# Altium PCB Bus_Adaptor_Hw-v2.2-tvs_tft.PcbDoc (part 1 of 2) (continued)
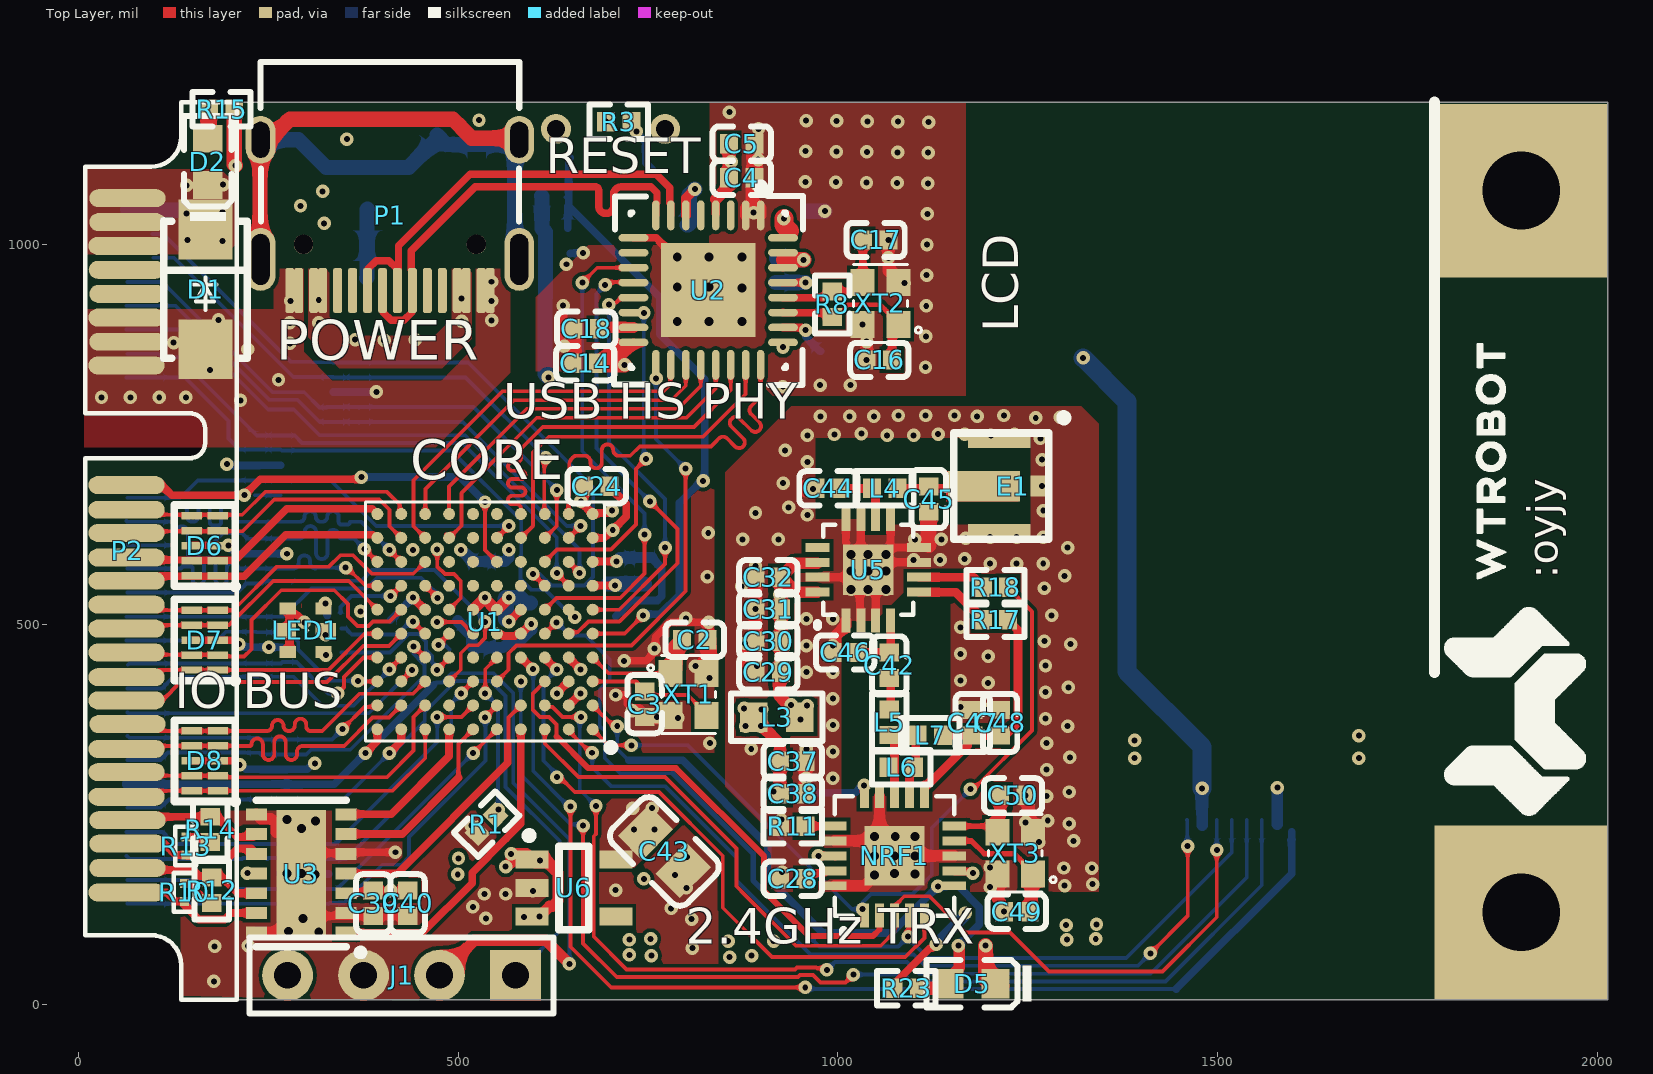
[diagram p0: Top Layer view]
## Footprints (in the part's own frame and the unit in brackets; to place one, negate y for a bottom-side part, rotate by r counter-clockwise, add the part's x,y. Pads: shape width x height; smd on the part's side, far side on the other; paste and mask are expansions set on the pad) (continued)
MINIPCIE [mm] "30mm*50.95mm*1mm"
  oval 0.6x2.55 smd: 1(0,0) 3(0.8,0) 5(1.593,-0.029) 7(2.395,-0.021) 9(3.2,0) 11(3.993,-0.029) 13(4.8,0) 15(5.593,-0.029) 17(9.593,-0.029) 19(10.418,-0.029) 21(11.193,-0.029) 23(12.018,-0.029) 25(12.793,-0.029) 27(13.593,-0.029) 29(14.393,-0.029) 31(15.193,-0.029) 33(16.018,-0.029) 35(16.793,-0.029) 37(17.586,0) 39(18.418,-0.029) 41(19.193,-0.029) 43(20.018,-0.029) 45(20.8,0) 47(21.586,0) 49(22.4,0) 51(23.218,-0.029)
  oval 0.6x2.55 smd far side: 2(0.386,0) 4(1.193,-0.029) 6(1.993,-0.029) 8(2.8,0) 10(3.593,-0.029) 12(4.393,-0.029) 14(5.2,0) 16(5.993,-0.029) 18(10.015,0) 20(10.793,-0.029) 22(11.586,0) 24(12.386,0) 26(13.186,0) 28(13.993,-0.029) 30(14.793,-0.029) 32(15.603,0.013) 34(16.4,0) 36(17.2,0) 38(17.986,0) 40(18.786,0) 42(19.586,0) 44(20.386,0) 46(21.191,-0.038) 48(21.993,-0.029) 50(22.8,0) 52(23.586,0)
  silkscreen extent -3.21,-1.4 26.8,3.65
OSC-SMD_4P-L2.0-W1.6-BL [mm]
  rect 0.9x0.8 smd: 1(-0.7,-0.6) 2(0.7,-0.6) 3(0.7,0.6) 4(-0.7,0.6)
  silkscreen extent -1.3,-1.37 1.3,0.9, body extent -1.3,-0.9 1.3,0.9, height 0.25
QFN50P500X500X100-32N [mm]
  rect 3.15x3.15 smd: 0(0,0)
  oval 1x0.25 smd: 1(2.5,-1.75) 2(2.5,-1.25) 3(2.5,-0.75) 4(2.5,-0.25) 5(2.5,0.25) 6(2.5,0.75) 7(2.5,1.25) 8(2.5,1.75) 17(-2.5,1.75) 18(-2.5,1.25) 19(-2.5,0.75) 20(-2.5,0.25) 21(-2.5,-0.25) 22(-2.5,-0.75) 23(-2.5,-1.25) 24(-2.5,-1.75)
  oval 0.25x1 smd: 9(1.75,2.5) 10(1.25,2.5) 11(0.75,2.5) 12(0.25,2.5) 13(-0.25,2.5) 14(-0.75,2.5) 15(-1.25,2.5) 16(-1.75,2.5) 25(-1.75,-2.5) 26(-1.25,-2.5) 27(-0.75,-2.5) 28(-0.25,-2.5) 29(0.25,-2.5) 30(0.75,-2.5) 31(1.25,-2.5) 32(1.75,-2.5)
  silkscreen extent -3.17,-3.17 3.57,3.15, body extent -2.5,-2.51 2.52,2.51, height 0.8
QFN-20_4X4X05P [mm]
  rect 2x2 smd: 0(0,0)
  rect 0.8x0.3 smd: 1(-2,1) 2(-2,0.5) 3(-2,0) 4(-2,-0.5) 5(-2,-1) 11(2,-1) 12(2,-0.5) 13(2,0) 14(2,0.5) 15(2,1)
  rect 0.3x0.8 smd: 6(-1,-2) 7(-0.5,-2) 8(0,-2) 9(0.5,-2) 10(1,-2) 16(1,2) 17(0.5,2) 18(0,2) 19(-0.5,2) 20(-1,2)
  silkscreen extent -2.6,-2 2,2, body extent -2.01,-2.01 2.01,2.01, height 0.78
RES-ARRAY-SMD_0201-8P-L1.4-W0.6-BL [mm]
  rect 0.24x0.3 smd: 1(-0.6,-0.25) 2(-0.2,-0.25) 3(0.2,-0.25) 4(0.6,-0.25) 5(0.6,0.25) 6(0.2,0.25) 7(-0.2,0.25) 8(-0.6,0.25)
  silkscreen extent -0.89,-0.63 0.89,0.64
RFX2401C [mm]
  rect 1.7x1.7 smd: 0(0,0)
  rect 0.8x0.3 smd: 1(-1.7,0.75) 2(-1.7,0.25) 3(-1.7,-0.25) 4(-1.7,-0.75) 9(1.7,-0.75) 10(1.7,-0.25) 11(1.7,0.25) 12(1.7,0.75)
  rect 0.3x0.8 smd: 5(-0.75,-1.7) 6(-0.25,-1.7) 7(0.25,-1.7) 8(0.75,-1.7) 13(0.75,1.7) 14(0.25,1.7) 15(-0.25,1.7) 16(-0.75,1.7)
  silkscreen extent -1.9,-1.5 1.5,1.7, body extent -1.52,-1.52 1.52,1.52, height 0.9
RGB-1.6X1.6 [mm]
  rect 0.55x0.4 smd: 1(0.6,0.725) 2(-0.6,0.725) 5(0.6,-0.725) 6(-0.6,-0.725)
  rect 0.7x0.5 smd: 3(0.675,0) 4(-0.675,0)
  Top Layer region: -0.127,0.762 -0.127,0.889
  silkscreen extent 0,-0.13 0.13,0.13
SMA [mm]
  rect 2x1.8 smd: 1(2,0) 2(-2,0)
  silkscreen extent -2.3,-1.4 2.3,1.4
SOT-23-5 [mm]
  rect 1.1x0.6 smd: 1(1.4,-0.95) 2(1.4,0) 3(1.4,0.95) 4(-1.4,0.95) 5(-1.4,-0.95)
  silkscreen extent -0.5,-1.87 1.62,1.4, body extent -1.25,-1.5 1.25,1.5, height 1.05
SW-SMD_侧开/5脚 [mm]
  rect 0.7x1.1 smd: 1(-1.4,-0.938) 2(1.4,-0.938)
  round 1 hole 0.6: ""(-1.825,0.412) ""(1.825,0.412)
  rect 1.15x0.55 smd: ""(-1.725,1.088) ""(1.725,1.088)
  rect 1.4x1.1 smd: ""(0,-1.088)
  silkscreen extent -0.92,1.3 0.92,1.96
"TFBGA100, 8*8*0.8 MM" [mm] "BGA, 100-Leads, Body 8.00x8.00mmx1.10mm, Pitch 0.80mm"
  round 0.4 smd mask+0.076: A1(-3.6,3.6) A2(-2.8,3.6) A3(-2,3.6) A4(-1.2,3.6) A5(-0.4,3.6) A6(0.4,3.6) A7(1.2,3.6) A8(2,3.6) A9(2.8,3.6) A10(3.6,3.6) B1(-3.6,2.8) B2(-2.8,2.8) B3(-2,2.8) B4(-1.2,2.8) B5(-0.4,2.8) B6(0.4,2.8) B7(1.2,2.8) B8(2,2.8) B9(2.8,2.8) B10(3.6,2.8) C1(-3.6,2) C2(-2.8,2) C3(-2,2) C4(-1.2,2) C5(-0.4,2) C6(0.4,2) C7(1.2,2) C8(2,2) C9(2.8,2) C10(3.6,2) D1(-3.6,1.2) D2(-2.8,1.2) D3(-2,1.2) D4(-1.2,1.2) D5(-0.4,1.2) D6(0.4,1.2) D7(1.2,1.2) D8(2,1.2) D9(2.8,1.2) D10(3.6,1.2) E1(-3.6,0.4) E2(-2.8,0.4) E3(-2,0.4) E4(-1.2,0.4) E5(-0.4,0.4) E6(0.4,0.4) E7(1.2,0.4) E8(2,0.4) E9(2.8,0.4) E10(3.6,0.4) F1(-3.6,-0.4) F2(-2.8,-0.4) F3(-2,-0.4) F4(-1.2,-0.4) F5(-0.4,-0.4) F6(0.4,-0.4) F7(1.2,-0.4) F8(2,-0.4) F9(2.8,-0.4) F10(3.6,-0.4) G1(-3.6,-1.2) G2(-2.8,-1.2) G3(-2,-1.2) G4(-1.2,-1.2) G5(-0.4,-1.2) G6(0.4,-1.2) G7(1.2,-1.2) G8(2,-1.2) G9(2.8,-1.2) G10(3.6,-1.2) H1(-3.6,-2) H2(-2.8,-2) H3(-2,-2) H4(-1.2,-2) H5(-0.4,-2) H6(0.4,-2) H7(1.2,-2) H8(2,-2) H9(2.8,-2) H10(3.6,-2) J1(-3.6,-2.8) J2(-2.8,-2.8) J3(-2,-2.8) J4(-1.2,-2.8) J5(-0.4,-2.8) J6(0.4,-2.8) J7(1.2,-2.8) J8(2,-2.8) J9(2.8,-2.8) J10(3.6,-2.8) K1(-3.6,-3.6) K2(-2.8,-3.6) K3(-2,-3.6) K4(-1.2,-3.6) K5(-0.4,-3.6) K6(0.4,-3.6) K7(1.2,-3.6) K8(2,-3.6) K9(2.8,-3.6) K10(3.6,-3.6)
  silkscreen extent -4.34,-4 4,4.33, body extent -4,-4.01 4,3.99, height 1.1
TYPE-C-TOP [mm]
  oval 1.6x1 hole 0.6 slot 1.2 at 0 deg: 1(2.52,4.325) 2(2.52,-4.325)
  oval 2.1x1 hole 0.6 slot 1.7 at 0 deg: 3(-1.48,-4.325) 4(-1.48,4.325)
  rrect50% 1.5x0.3 smd: A1(-2.52,-3.35) A4(-2.52,-2.55) A5(-2.52,-1.25) A6(-2.52,-0.25) A7(-2.52,0.25) A8(-2.52,1.25) A9(-2.52,2.55) A12(-2.52,3.35) B1(-2.52,3.05) B4(-2.52,2.25) B5(-2.52,1.75) B6(-2.52,0.75) B7(-2.52,-0.75) B8(-2.52,-1.75) B9(-2.52,-2.25) B12(-2.52,-3.05)
  round 0.65 hole 0.65: ""(-0.98,2.89) ""(-0.98,-2.89)
  silkscreen extent -0.22,-4.33 5.12,4.33, body extent -2.64,-4.48 5.26,4.46, height 3.28

## Part data
C1 C2 C3 C4 C5 C6 C7 C9 C10 C11 C12 C13 C14 C15 C16 C17 C18 C19 C20 C21 C22 C23 C24 C25 C26 C27 C28 C29 C30 C31 C32 C33 C34 C35 C36 C37 C38 C39 C40 C41 C42 C43 C44 C45 C46 C47 C48 C49 C50: library part C
D1 D3: library part TVS, "BV03CW"
D2 D5: library part LED
D6 D7 D8 D9 D10 D11 D12 D13: library part TVS10P-4PAIR, "C503418"
D14: "C503418"
E1: "Generic Antenna", LatestRevisionDate=17-Jul-2002, LatestRevisionNote="Re-released for DXP Platform.", PackageReference=PIN1, Published=24-Mar-1999, Publisher="Altium Limited"
F1: library part FUSE, "FUSE"
H1: "FPC-8P"
Key1: library part KEY
L1 L2 L3 L4 L5 L6 L7: library part L
LED1: library part "LED-RGB 3528", "3528三基色LED"
P1: library part USB_C
R1 R2 R3 R5 R6 R7 R8 R9 R10 R11 R12 R13 R14 R15 R16 R17 R18 R23: library part R, "resistor"
U1: Operating Frequency (Processor Speed)=168MHz, 16-bit Timers (IC/OC/PWM)=12x16-bit(24/24/30), 32-bit Timer (IC/OC/PWM)="2x32-bit (8/8/8)", A/D Converter=16x12-bit, ComponentLink1Description="Manufacturer URL", ComponentLink1URL=http://www.st.com/, ComponentLink2Description="STM32F405/7 Datasheet", ComponentLink2URL=http://www.st.com/internet/com/TECHNICAL_RESOURCES/TECHNICAL_LITERATURE/DATASHEET/DM00037051.pdf, ComponentLink3Description="STM32F4 Web Page", ComponentLink3URL=http://www.st.com/internet/mcu/subclass/1521.jsp, D/A Converter=2x12-bit, DatasheetVersion="rev2, Jan-2012", Internal RAM=192kB, Other Timer Functions="2xWDG, RTC, 24-bit down counter", PackageDescription="100-Pin Low Profile Quad Flat Package, 14x14 mm Body, 0.5 mm Pitch", PackageReference=LQFP100, PackageVersion=2012, Serial Interface="3xSPI/2xI2S/2xI2C/3xUSART(IrDa, ISO7816)/3xUART/2xUSB OTG FS/HS, 2xCAN/Ethernet MAC10/100, SDIO"
U2: library part USB3300, "高速USB外置PHY"
U3: "double can"
U4: library part ME6211
XT1 XT2 XT3: library part XTAL-4P, "4脚无源晶振"

## Free pads (board coordinates)
  rect 228.35x228.35 hole 102.36: ""(1899.68,121.42) ""(1899.68,1071.42)

## Via types
v1: diameter 17.72, hole 7.87, Top Layer to Bottom Layer, tented both sides, 367 vias
v2: diameter 17.72, hole 11.81, Top Layer to Bottom Layer, tented both sides, 36 vias

## Nets (pads, with @x,y where several pads share a name; then routed paths per layer and width w, separated by ;. In a path a pad name is that pad's centre, name@x,y a point inside that pad or via, vN(x,y) a via of type N, cw(c..) or ccw(c..) an arc to the next point about the centre after c; other vN are vias at no path point)
3.3V: C12.2 C13.2 C14.2 C15.2 C21.2 C22.2 C23.2 C24.2 C25.2 C26.2 C27.2 C35.2 C36.2 C41.1 D3.2 H1.2 J1.4 L2.1 LED1.2 LED1.4 LED1.6 R2.1 R7.1 U1.B2 U1.D2 U1.F4 U1.F5 U1.F6 U1.K1 U2.6 U2.16 U2.25 U2.30 U2.31 U3.11 U4.5 | length 1595.9
  Top Layer w10: LED1.6@278.16,462.79 278.16,463.97 278.16,519.88 279.72,519.88 287.24,512.35 288.63,512.35 297.68,503.31 v1(297.68,503.07) ; v1(566.93,503.94) U1.F4@582.68,519.69 ; U1.B2@645.67,393.7 v1(661.42,409.45) ; U1.D2@645.67,456.69 645.67,456.31 661.42,440.57 v1(661.42,440.94) ; C24.2@665.81,682.33 665.81,657.02 U1.K1@677.17,645.67 678.27,646.77 697.26,646.77 700.67,650.17 v1(702.76,650.17) ; U2.16@726.73,867.33 U2.16@730.94,871.54 ; U2.30@927.79,969.97 927.79,981.33 928.79,980.33
  Top Layer w13: U2.6@799.84,1038.86 799.91,1038.94 799.91,1061.62 v1(811.63,1073.33)
  Top Layer w15: U1.F6@519.69,519.69 v1@534.66,534.66 ; v1@533.88,535.43 v1@534.66,534.66 ; v1(535.43,535.43) v1@534.66,534.66 ; v1(566.93,535.43) U1.F5@551.18,519.69 549.63,519.69 v1@534.66,534.66 ; C14.2@684.28,844.33 709.79,869.85 709.79,863.94 696.24,850.39 709.79,850.39 U2.16@726.73,867.33
  Top Layer w20: C14.2@684.28,844.33 684.28,843.83 686.09,842.01 v1(719.29,842.01) ; 928.79,980.33 v1(955.02,980.33)
  Bottom Layer w10: v1(222.55,172.97) 222.87,172.65 237.49,172.65 C41.1@237.81,172.33
  Bottom Layer w15: H1.2@1479.54,236.09 v1(1479.54,284.33)
  Bottom Layer w20: C26.2@562.54,506.66 v1@562.54,535.43 ; v1(566.93,535.43) 582.04,535.43 588.93,528.54 C25.2@595.19,528.54 ; R2.1@609.81,1064.33 610.56,1063.58 610.56,1021.54 615.23,1016.87 615.23,930.57 614.5,929.84 614.5,829.86 v1(618.89,825.47) ; C12.2@801.54,1026.07 802.53,1026.07 804.34,1027.88 804.34,1066.04 v1(811.63,1073.33) ; C13.2@919.28,982.95 919.28,982.14 921.09,980.33 v1(955.02,980.33)
  Bottom Layer w25: v1(1322.83,851.33) 1380.63,793.54 1380.63,438.12 1479.54,339.2 v1(1479.54,284.33)
  other v1: 754.54,64.33 725.54,65.33 725.54,85.33 753.54,86.33 744.54,165.33 440.54,598.33 661.54,662.33 927.79,865.33
3.3VA: C6.1 C7.1 L2.2 U1.H1 | length 210.6
  Top Layer w10: U1.H1@677.17,582.68 678.27,581.58 680.02,583.33 v1(708.54,583.33)
  Bottom Layer w10: C7.1@707.22,582.53 C7.1@713.02,588.33 ; L2.2@707.69,511.21 728.43,531.96 728.61,531.79 762.48,531.79 768.34,537.65 768.34,574.8 C6.1@754.8,588.33
  Bottom Layer w15: C7.1@713.02,588.33 745.54,588.33 C6.1@754.8,588.33
3.3VPA: C29.2 C30.2 C31.2 C32.2 L3.2 U5.14 U5.16 | length 308.4
  Top Layer w15: L3.2@949.86,377.95 949.86,378.94 922.54,406.25 922.54,434.6 C29.2@925.28,437.33 C30.2@925.28,478.33 C32.2@925.28,561.35 ; U5.16@973.09,542.73 944.89,542.73 930.59,557.04 929.59,557.04 C32.2@925.28,561.35 ; U5.14@973.09,580.82 942.78,580.82 925.28,563.32 C32.2@925.28,562.33 C32.2@925.28,561.35
  other v1: 950.54,375.33 959.54,393.33 938.54,394.33 924.54,455.7 925.54,500.33 923.54,539.7
3.3VRF: C37.2 C38.2 C43.2 D5.K L3.1 NRF1.7 NRF1.15 NRF1.18 U6.5 | length 432.6
  Top Layer w10: v1(974.24,195.59) NRF1.18@995.8,195.59 NRF1.18@996.71,194.69 ; NRF1.15@1034.27,281.88 1034.27,265.33 1035.17,266.24 NRF1.15@1035.17,274.33 ; NRF1.7@1153.28,175.91 1154.19,175 1173.67,175 1175.74,172.93 v1(1177.83,172.93)
  Top Layer w15: L3.1@889.23,377.95 899.7,367.49 923.81,343.37 C37.2@923.81,320.33 C38.2@923.81,277.33
  Top Layer w20: v1(1194.54,77.33) 1194.54,32.49 1195.62,33.57 D5.K@1202.86,26.33 ; D5.K@1206.17,20.14 1204.14,18.11 1206.75,24.82 1206.88,24.47 1215.66,24.47 1211.01,21.61 D5.K@1207.2,19.27 ; D5.K@1206.17,24.82 D5.K@1206.34,25.19 ; D5.K@1202.86,26.33 D5.K@1210.2,33.68 ; D5.K@1202.86,26.33 1204,25.19 D5.K@1206.34,25.19 ; D5.K@1206.34,25.19 1207.35,27.4 1208.9,30.81 D5.K@1210.2,33.68 ; D5.K@1206.34,25.19 1206.89,25.19 1207.7,27.25 1208.89,30.31 D5.K@1210.2,33.68
  Bottom Layer w10: v1(915.54,280.52) 949.05,280.52 950.73,278.84 1022.96,278.84 1032.46,288.33 v1(1034.54,288.33)
  other v1: 731.8,230.56 758.54,230.56 730.2,258.54 755.54,258.54 878.54,366.33 898.54,366.33 899.54,388.33 876.54,389.84
5V: C4.1 C5.1 C33.2 C34.2 C39.1 C40.1 D1.2 D2.K L1.1 P2.1 P2.2 P2.3 P2.5 U2.4 U3.3 U4.1 U4.3 U6.1 U6.3 | length 487.5
  Top Layer w10: U3.3@352.6,146.35 354.3,148.05 431.85,148.05 C40.1@433.54,149.75 ; U2.4@839.21,1038.86 839.28,1038.94 839.28,1060.07
  Top Layer w15: 569.85,186.71 v1(569.85,198.31) 589.85,198.31 598.83,189.33 v1(607.81,189.33) 604.65,189.33 601.74,186.42 618.89,186.42 631.58,173.73 631.58,136.34 624.26,129.02 620.36,129.02 v1(607.27,115.93) U6.3@597.43,115.93 ; 839.28,1060.07 856.81,1077.6 C4.1@856.81,1088.33 C5.1@856.81,1133.33
  Bottom Layer w20: P2.2@64.68,1046.21 65.38,1045.52 138.36,1045.52 v1(142.54,1041.33) 144.54,1043.33 v1(189.54,1043.33)
  other v1: 586.54,115.33 411.54,150.33 499.54,171.33 562.54,181.33 500.54,192.33 189.54,1005.33 143.54,1006.33 323.54,1028.33 292.54,1051.33 321.54,1070.33 142.54,1078.33 190.54,1079.33 859.54,1109.33
ADC1_0: D10.5 D10.6 P2.14 U1.G2 | length 735.6
  Top Layer w5: v1(629.92,567.69) 629.92,567.31 645.67,551.56 U1.G2@645.67,551.18
  Bottom Layer w5: P2.14@64.68,856.69 104.89,856.69 109.54,852.04 131.92,852.04 234.89,749.07 D10.6@267.54,749.07 ; D10.6@267.54,749.01 284.86,749.01 294.54,739.33 505.39,739.33 630,614.73 629.92,614.65 v1(629.92,567.69)
ADC1_1: P2.12 U1.H2 | length 767.5
  Top Layer w5: U1.H2@645.67,582.68 645.67,582.49 659.83,568.33 v1(659.83,568.15)
  Bottom Layer w5: P2.12@63.53,888.46 145,888.46 250.13,783.33 283.54,783.33 317.54,749.33 509.54,749.33 659.83,599.04 v1(659.83,568.15)
ADC1_2: D9.1 D9.10 P2.10 U1.J2 | length 740.9
  Top Layer w5: U1.J2@645.67,614.17 v1(661.42,629.92)
  Bottom Layer w5: P2.10@63.53,919.95 127.65,919.95 251.64,795.96 288.91,795.96 317.91,766.96 D9.1@335.42,766.96 368.98,766.96 369.67,766.27 370.36,766.96 506.05,766.96 643.09,629.92 v1(661.42,629.92)
ADC1_6: D9.2 D9.9 P2.8 U1.J3 | length 749.4
  Top Layer w5: U1.J3@614.17,614.17 629.92,629.92 v1(629.92,677.16)
  Bottom Layer w5: P2.8@64.68,951.18 110.56,951.18 255.78,805.96 297.54,805.96 317.54,785.96 326.88,785.96 327.57,786.65 D9.2@335.42,786.65 368.98,786.65 369.67,785.96 370.36,786.65 520.43,786.65 v1(629.92,677.16)
ADC1_7: D9.4 D9.7 P2.6 U1.K3 | length 700.8
  Top Layer w5: U1.K3@614.17,645.67 613.56,646.28 613.56,717.76 v1(615.54,719.74)
  Bottom Layer w5: P2.6@98.61,982.95 126.06,982.95 282.99,826.02 D9.4@335.42,826.02 ; D9.4@335.42,825.33 509.95,825.33 v1(615.54,719.74)
ADC1_11: D10.4 D10.7 P2.16 U1.F2 | length 793.9
  Top Layer w5: U1.F2@645.67,519.69 645.67,518.78 653.61,510.83 v1(653.61,509.92)
  Bottom Layer w5: P2.16@63.53,825.46 140.41,825.46 197.63,768.24 197.63,745.24 212.22,730.65 233.29,730.65 266.54,730.65 267.86,729.33 490.69,729.33 583.29,636.74 583.29,591.65 582.07,590.43 582.07,560.15 596.18,546.04 614.29,546.04 650.42,509.92 v1(653.61,509.92)
CAN1_H: P2.51 R10.1 U3.13 | length 192
  Top Layer w10: P2.51@63.53,147.32 116.56,147.32 128.27,135.6 R10.1@139.54,135.6 140.45,134.7 140.45,129.95 158.61,111.79 192.48,111.79 201.05,120.36 U3.13@234.48,120.36
CAN1_L: P2.49 R12.2 U3.12 | length 186.1
  Top Layer w10: P2.49@64.68,179.53 67.42,176.79 130.8,176.79 133.95,179.94 147.24,179.94 150.39,176.79 152.09,176.79 159.86,169.02 187.54,169.02 210.21,146.35 U3.12@234.48,146.35
CAN1_RX: U1.B4 U3.4 | length 356
  Top Layer w5: 565.56,343.06 566.56,344.06 566.56,377.58 U1.B4@582.68,393.7
  Top Layer w10: U3.4@352.59,172.33 419.77,172.33 565.56,318.12 565.56,343.06
CAN1_TX: U1.A4 U3.1 | length 421.9
  Top Layer w10: U3.1@352.59,94.38 452.97,94.38 518.4,159.82 518.4,173.54 563.04,218.17 582.68,237.81 U1.A4@582.68,362.2
CAN3_H: P2.47 R13.1 U3.10 | length 187.7
  Top Layer w10: P2.47@64.68,211.57 113.31,211.57 128.17,196.71 R13.1@141.54,196.71 143.32,194.94 153.46,194.94 156.61,191.79 158.3,191.79 159.76,190.33 195.17,190.33 210.17,205.33 227.46,205.33 U3.10@234.48,198.31
CAN3_L: P2.45 R14.2 U3.9 | length 184.4
  Top Layer w10: P2.45@64.68,242.52 69.23,247.07 R14.2@173.54,247.07 182.81,247.07 209.54,220.33 230.51,220.33 U3.9@234.48,224.3
CAN3_RX: U1.A7 U3.7 | length 202.6
  Top Layer w10: U3.7@352.6,250.28 352.92,250.6 411.81,250.6 488.04,326.83 488.04,348.24 488.19,348.39 U1.A7@488.19,362.2
CAN3_TX: U1.A6 U3.6 | length 249.1
  Top Layer w5: 500.54,298.33 500.54,343.06 U1.A6@519.69,362.2
  Top Layer w10: U3.6@353.88,224.3 426.51,224.3 500.54,298.33
DAC_OUT1: D9.5 D9.6 P2.4 U1.G3 | length 948.7
  Top Layer w5: v1(598.43,566.93) U1.G3@614.17,551.18
  Bottom Layer w5: P2.4@97.73,1014.44 111.3,1014.44 279.43,846.31 335.42,845.01 369.67,845.01 513.42,845.01 677.9,680.53 677.9,636.82 677.78,636.7 677.78,562.57 666.54,551.33 623.15,551.33 607.55,566.93 v1(598.43,566.93)
GND: C1.1 C2.1 C3.1 C4.2 C5.2 C6.2 C7.2 C9.2 C10.1 C11.1 C12.1 C13.1 C14.1 C15.1 C16.1 C17.1 C18.1 C19.1 C20.1 C21.1 C22.1 C23.1 C24.1 C25.1 C26.1 C27.1 C33.1 C34.1 C35.1 C36.1 C39.2 C40.2 C41.2 C43.1 D1.1 D3.1 D6.3 D6.8 D7.3 D7.8 D8.3 D8.8 D9.3 D9.8 D10.3 D10.8 D11.3 D11.8 D12.3 D12.8 D13.3 D13.8 D14.3 D14.8 H1.7 H1.9 H1.10 J1.3 P1.A1 P1.A12 P1.B1 P1.B12 P2.11 P2.13 P2.15 R1.1 R3.2 R5.1 R6.1 R9.1 R15.1 R16.2 U1.C2 U1.E4 U1.E5 U1.G1 U1.J1 U2.0 U2.1 U2.2 U2.9 U3.2 U3.5 U3.8 U3.14 U3.15 U4.2 U6.2 XT1.2 XT1.4 XT2.2 XT2.4 | length 2656.4
  Top Layer w10: D6.8@148.42,604.33 D6.3@183.54,604.33 ; D7.8@149.29,479.64 D7.3@183.54,479.64 183.62,479.56 204.22,479.56 209.46,474.33 v1(211.54,474.33) ; D8.8@149.54,320.64 D8.3@175.41,320.64 ; D8.3@192.18,320.56 205.22,320.56 210.46,315.33 v1(212.54,315.33) ; U3.15@293.54,143.77 321.02,116.29 C39.2@388.54,116.29 C40.2@433.54,116.29 ; v2(293.54,172.33) 319.52,198.31 321.5,196.33 324.5,199.33 351.6,199.33 352.6,200.33 v1(417.54,200.33) ; v1(517.54,235.33) 517.54,233.72 528.08,223.19 R1.1@528.08,223.5 ; U1.E5@551.18,488.19 552.28,487.09 557.11,487.09 559.12,485.08 574.74,485.08 577.85,488.19 U1.E4@582.68,488.19 583.06,488.19 595.93,501.06 v1(596.31,501.06) ; v1(629.92,409.45) U1.C2@645.67,425.2 ; v1(638.35,919.95) 639.04,919.27 639.04,867.38 647.54,858.87 ; C18.1@651.45,888.7 C18.1@652.08,889.33 ; U1.G1@677.17,551.18 677.36,551.37 706.64,551.37 v1(706.83,551.56) ; U1.J1@677.17,614.17 692.38,614.17 702.59,624.38 v1(703.63,624.38) 721.61,642.36 721.61,659.01 699.28,681.35 C24.1@699.28,682.33 ; v1(707.54,407.33) 721.53,407.33 722.75,406.11 722.75,396.11 728.61,390.25 738.61,390.25 750.26,378.6 C3.1@755.54,378.6 ; 728.29,452.33 747.54,452.33 758.54,463.33 v1(758.54,468.33) 760.02,469.81 760.02,484.06 778.86,502.9 820.76,502.9 826.62,497.04 826.62,482.74 829.91,486.03 v1(829.91,503.09) 829.91,481.74 C2.1@828.28,480.11 ; U2.9@730.94,1009.34 731.02,1009.26 754.21,1009.26 754.29,1009.18 760.62,1009.18 U2.0@829.36,940.44 ; XT1.2@777.98,378.6 XT1.2@779.92,380.55 XT1.2@779.92,378.58 ; v1(812.37,445.33) 823.72,445.33 XT1.4@830.28,438.78
  Top Layer w15: U3.14@234.48,94.38 234.85,94.75 267.14,94.75 293.54,121.15 293.54,143.77 v2(293.54,172.33) 293.54,223.51 U3.15@274.54,242.51 ; U3.8@234.48,250.28 240.09,244.67 253.44,244.67 260.76,237.35 260.76,226.55 274.54,240.33 U3.15@274.54,242.51 ; v2(274.54,243.33) U3.15@274.54,242.51 ; U2.2@878.58,1038.86 878.58,1048.47 885.97,1055.86 ; C4.2@890.28,1088.33 885.97,1084.02 885.97,1055.86 ; U2.1@898.26,1038.86 898.26,1048.47 890.87,1055.86 885.97,1055.86 ; v1(1032.44,895.3) 1037.95,889.79 v1(1037.95,872.71) v1(1037.95,848.44) ; v1(1066.42,1006.42) v1(1066.42,982.95) 1066.42,965.65 1079.68,952.38 XT2.2@1079.68,950.42
  Top Layer w20: R15.1@205.28,1178.33 205.28,1105.92 v1(206.86,1104.33) ; C14.1@651.45,844.97 C18.1@651.45,888.7 ; C3.1@745.54,378.6 C3.1@750.26,378.6 ; C3.1@755.54,378.6 v1(761.76,378.6) XT1.2@777.98,378.6 ; XT1.4@830.28,438.78 C2.1@830.28,480.43 ; C4.2@890.28,1088.33 C5.2@890.28,1133.33
  Bottom Layer w10: v1(195.54,711.33) 197.31,709.56 238.08,709.56 238.16,709.64 D10.8@266.54,709.64 ; v1(197.63,604.33) 208.63,593.33 D11.3@233.42,593.33 D11.8@267.67,593.33 v1(274.54,593.33) ; v1(211.54,474.33) 213.63,474.33 217.55,470.41 234.34,470.41 234.42,470.33 v1(250.91,470.33) D12.8@268.67,470.33 ; v1(212.54,315.33) 214.63,315.33 220.55,309.41 240.34,309.41 D13.3@240.42,309.33 D13.8@274.67,309.33 274.75,309.41 301.53,309.41 309.46,317.33 v1(311.54,317.33) ; C41.2@265.28,172.33 265.89,171.72 329.71,171.72 D14.8@329.79,171.64 ; D9.3@335.42,806.33 D9.8@369.67,806.33 v1@388.28,806.33 ; C1.1@647.54,988.6 647.91,988.97 664.18,988.97 v1(664.54,989.33) ; C7.2@697.28,553.6 701.68,558 706.08,553.6 706.83,552.85 v1(706.83,551.56)
  Bottom Layer w15: R5.1@499.54,505.33 499.54,504.35 517.96,485.93 517.96,471.64 C10.1@522.28,467.33 524.91,469.97 C26.1@558.54,469.97 ; v1(503.54,598.33) 504.28,598.33 519.55,583.06 C21.1@561.54,583.06 ; C22.1@526.54,583.07 C21.1@561.54,583.06 ; C26.1@562.54,472.6 566.85,476.91 579.66,476.91 596.02,493.27 C25.1@597,493.27 ; v1(566.93,598.42) 566.93,588.28 561.71,583.06 C21.1@561.54,583.06 ; H1.7@1578.54,237.09 v1(1578.54,285.33)
  Bottom Layer w20: C7.2@697.28,553.6 706.08,553.6 C7.2@706.54,553.6 C6.2@745.54,553.6 ; R9.1@961.28,1044.33 v1(982.93,1044.33)
  other v1: 178.54,30.33 857.54,62.33 886.54,64.33 808.54,74.01 179.54,76.33 223.54,77.13 855.54,83.33 915.54,83.33 1301.54,85.33 1339.54,86.33 1300.54,104.33 1340.54,105.33 807.54,112.33 536.54,113.33 780.54,126.33 519.54,128.33 534.54,145.33 562.55,145.33 598.43,149.33 707.28,150.33 800.54,153.33 785.54,170.33 801.54,194.33 1390.67,324.18 1685.94,324.18 831.36,344.06 1390.67,347.55 1685.94,353.86 789.54,377.33 729.54,386.33 831.04,429.6 718.54,452.33 799.84,508.33 371.54,517.33 828.28,563.33 829.36,620.74 213.54,795.33 30.54,799.33 68.54,799.33 106.54,799.33 141.54,799.33 392.54,806.33 927.54,813.33 976.6,815.33 1016.54,815.36 263.54,822.33 173.54,835.33 1115.38,839.08 222.87,862.33 639.72,866.7 278.54,870.33 125.54,871.33 1115.88,879.4 278.54,897.33 544.21,900.52 184.54,901.33 1116.38,919.72 279.54,926.33 544.21,926.33 1087.54,949.57 544.21,951.45 1116.88,960.04 642.57,974.48 1117.38,1000.37 1117.88,1040.69 889.23,1042.33 893.54,1079.02 1078.06,1081.51 1118.38,1081.01 997.41,1082.51 1037.74,1082.01 957.09,1083.01 895.04,1112.33 1078.56,1121.83 1118.88,1121.33 997.91,1122.83 1038.24,1122.33 957.59,1123.33 353.54,1139.33 895.54,1152.66 1119.38,1161.66 694.81,1162.33 1038.74,1162.66 1079.06,1162.16 958.09,1163.66 998.41,1163.16 527.54,1164.33 857.22,1174.83
  other v2: 316.54,95.33 276.54,96.33 295.54,113.33 311.54,171.33 274.91,172.33 293.54,231.33 312.54,241.33 788.54,898.96 830.54,898.96 873.54,898.96 873.54,943.33 788.54,944.33 830.54,944.33 788.54,984.33 830.54,984.33 873.54,984.33
HS_CLK: U1.H3 U2.14 | length 425.8
  Top Layer w5: U1.H3@614.17,582.68 630.3,598.8 700.88,598.8 701.77,599.69 702.08,599.69 734.11,631.73 734.11,704.9 v1(747.54,718.33)
  Bottom Layer w5: v1(744.54,910.33) 744.33,910.12 744.33,721.54 v1(747.54,718.33)
HS_D0: U1.K2 U2.24 | length 550
  Top Layer w5: U1.K2@645.67,645.67 645.19,646.15 645.19,669.3 646.28,670.39 646.28,709.58 cw(c660.66,709.58) 650.49,719.74 cw(c656.74,713.49) 656.74,722.33 660.45,722.33 666.73,722.33 cw(c666.73,714.83) 674.23,714.83 674.23,713.3 ccw(c681.73,713.3) 681.73,705.8 ccw(c681.73,713.3) 689.23,713.3 689.23,722.33 689.23,729.83 cw(c696.73,729.83) 696.73,737.33 cw(c696.73,729.83) 704.23,729.83 ccw(c711.73,729.83) 711.73,722.33 719.23,722.33 726.73,722.33 739.09,734.69 828.54,734.69 832.9,734.69 838.21,739.99 843.51,745.3 cw(c848.81,739.99) 854.12,745.3 864.71,734.71 ccw(c870.01,740.01) 875.31,734.71 ccw(c870.01,740.01) 875.31,745.31 859.42,761.21 cw(c863.85,765.64) 859.42,770.07 861.16,771.81 cw(c865.59,767.38) 870.03,771.81 885.92,755.92 ccw(c891.22,761.22) 896.53,755.92 ccw(c891.22,761.22) 896.53,766.53 885.93,777.12 cw(c891.24,782.42) 885.93,787.72 891.24,793.03 894.75,796.54 898.26,800.05 U2.24@898.26,842.01
HS_D1: U1.J4 U2.23 | length 487.5
  Top Layer w5: U1.J4@582.68,614.17 598.57,630.07 598.57,726.48 619.43,747.33 822.54,747.33 878.58,803.36 U2.23@878.58,842.01 877.65,841.09 U2.23@877.65,824.24
HS_D2: U1.K4 U2.22 | length 524.6
  Top Layer w5: U1.K4@582.68,645.67 582.68,653.17 ccw(c577.19,653.17) 577.19,658.66 571.18,658.66 cw(c571.18,664.15) 565.69,664.15 cw(c571.18,664.15) 571.18,669.65 582.68,669.65 583.08,669.65 ccw(c583.08,675.14) 588.58,675.14 ccw(c583.08,675.14) 583.08,680.63 582.68,680.63 571.18,680.63 cw(c571.18,686.12) 565.69,686.12 cw(c571.18,686.12) 571.18,691.61 582.68,691.61 583.08,691.61 ccw(c583.08,697.11) 588.58,697.11 ccw(c583.08,697.11) 583.08,702.6 582.68,702.6 571.18,702.6 cw(c571.18,708.09) 565.69,708.09 cw(c571.18,708.09) 571.18,713.58 577.19,713.58 ccw(c577.19,719.08) 582.68,719.08 582.68,724.57 582.68,729.33 582.68,731.47 611.54,760.33 810.54,760.33 858.89,808.68 U2.22@858.89,842.01
HS_D3: U1.J7 U2.21 | length 494.9
  Top Layer w5: U1.J7@483.8,618.57 U1.J7@488.19,614.17 504.31,630.3 504.31,673.1 603.54,772.33 800.54,772.33 839.21,810.99 U2.21@839.21,842.01
HS_D4: U1.K7 U2.20 | length 450.2
  Top Layer w5: U1.K7@488.19,645.67 488.19,681.98 590.54,784.33 789.54,784.33 819.52,814.31 U2.20@819.52,842.01
HS_D5: U1.K8 U2.19 | length 459.7
  Top Layer w5: U1.K8@456.69,645.67 456.91,645.89 456.91,678.7 573.54,795.33 780.54,795.33 799.84,814.62 U2.19@799.84,842.01
HS_D6: U1.J8 U2.18 | length 498.7
  Top Layer w5: U1.J8@456.69,614.17 441.32,629.55 441.32,690.11 558.54,807.33 770.54,807.33 779.22,816.01 779.22,841.09 U2.18@780.15,842.01
HS_D7: U1.C5 U2.17 | length 606.8
  Top Layer w5: U1.C5@551.18,425.2 566.56,440.57 566.56,462.31 576.82,472.58 728.27,472.58 799.54,543.85 v1(799.54,705.33)
  Bottom Layer w5: v1(760.69,824.33) 760.69,744.18 v1(799.54,705.33)
HS_DIR: U1.E2 U2.12 | length 636.4
  Top Layer w5: U1.E2@645.67,488.19 647.73,490.25 657.48,490.25 671.55,504.31 712.31,504.31 788.9,580.9 788.9,625.97 v1(752.54,662.33) ; v1(693.54,947.33) 697.42,951.21 730.01,951.21 U2.12@730.94,950.28
  Bottom Layer w5: v1(693.54,947.33) 693.54,946.92 682.19,935.56 682.19,732.69 v1(752.54,662.33)
HS_NXT: U1.F3 U2.11 | length 643.7
  Top Layer w5: U1.F3@614.17,519.69 629.69,535.2 713.6,535.2 745.54,567.14 v1(745.54,618.57) ; v1(663.54,950.33) 683.18,969.97 U2.11@730.94,969.97
  Bottom Layer w5: v1(663.54,950.33) 663.54,728.2 745.54,646.2 v1(745.54,618.57)
HS_STP: U1.F1 U2.13 | length 528.6
  Top Layer w5: U1.F1@677.17,519.69 712.23,519.69 772.54,580 v1(772.54,601.33) ; v1(698.54,921.33) 700.98,923.77 708.03,923.77 714.86,930.6 U2.13@730.94,930.6
  Bottom Layer w5: v1(698.54,921.33) 698.54,739.47 772.54,665.47 v1(772.54,601.33)
I2C1_SCL: D14.1 D14.10 P2.52 U1.B5 | length 644.6
  Top Layer w5: v1(535.43,377.95) U1.B5@551.18,393.7
  Bottom Layer w5: P2.52@64.68,132.83 64.96,132.55 295.54,132.55 329.52,132.55 D14.10@329.79,132.27 331.21,133.69 349.9,133.69 400.19,183.97 425.32,183.97 435.54,194.2 435.54,220.33 536.04,320.83 536.04,377.34 v1(535.43,377.95)
I2C1_SDA: D14.2 D14.9 P2.50 U1.A5 | length 578.5
  Top Layer w5: v1(519.68,330.71) U1.A5@551.18,362.2
  Bottom Layer w5: P2.50@64.68,163.78 197.31,163.78 209.13,151.96 340.94,151.96 v1(519.68,330.71)
I2C4_SCL: D6.2 D6.9 P2.23 U1.K10 | length 362.1
  Top Layer w10: P2.23@63.53,588.26 66.14,585.65 149.3,584.65 149.42,584.65 206.86,584.65 274.54,652.33 387.04,652.33 U1.K10@393.7,645.67
I2C4_SDA: D6.1 D6.10 P2.25 U1.J10 | length 357.1
  Top Layer w10: P2.25@63.53,557.75 101.33,557.75 107.54,563.96 218.5,563.96 272.99,618.45 387.87,618.45 392.15,614.17 U1.J10@393.7,614.17
LCD_P1: H1.8 U1.D4 | length 1499.8
  Top Layer w5: v1(647.88,260.6) 647.88,76 701.54,22.33 v1(957.07,22.33)
  Top Layer w10: U1.D4@582.68,456.69 582.93,456.69 598.29,441.33 v1(598.54,441.33)
  Bottom Layer w5: v1(598.54,441.33) 598.9,440.97 598.9,307.1 645.4,260.6 v1(647.88,260.6) ; v1(957.07,22.33) 959.07,20.33 1445.54,20.33
  Bottom Layer w10: 1445.54,20.33 1597.36,172.15 H1.8@1597.36,227.12
LCD_P2: H1.6 U1.C4 | length 1450.7
  Top Layer w5: v1(664.54,235.33) 664.54,80.33 708.9,35.97 947.58,35.97 950.29,38.69 967.32,38.69 977.04,28.97 1010.19,28.97 v1(1020.54,39.33)
  Bottom Layer w5: v1(582.54,425.2) 582.54,302.8 648.19,237.16 662.72,237.16 v1(664.54,235.33) ; v1(1020.54,39.33) 1087.62,39.33 1096.62,30.33 1431.54,30.33 1557.98,156.77 H1.6@1557.98,242.79
LCD_P3: H1.5 U1.B3 | length 1371.4
  Top Layer w5: U1.B3@614.17,393.7 616.23,391.64 624.23,391.64 637.55,378.33 v1(661.54,378.33) ; v1(681.54,261.33) 681.54,224.37 678.51,221.33 678.51,130.85 678.51,89.23 721.77,45.97 943.43,45.97 946.15,48.69 971.46,48.69 972.39,47.77 983.11,47.77 v1(985.54,45.33)
  Bottom Layer w5: v1@660.54,377.58 660.19,377.22 660.19,282.69 v1(681.54,261.33) ; v1(985.54,45.33) 995.9,55.69 1091.04,55.69 1106.4,40.33 1411.54,40.33 1538.3,167.09 H1.5@1538.3,242.79
LCD_P4: H1.1 U1.A2 | length 1128.5
  Top Layer w5: U1.A2@643.67,362.06 674.4,331.33 v1(676.54,331.33) ; v1(1411.54,67.33) 1460.54,116.33 v1(1460.54,208.33)
  Bottom Layer w5: v1(676.54,331.33) 676.54,312.07 701.28,287.33 772.54,287.33 866.54,193.33 866.54,163.33 964.19,65.69 1099.91,65.69 1114.63,50.97 1395.19,50.97 v1(1411.54,67.33) ; H1.1@1459.56,242.79 1460.05,242.3 1460.05,208.82 v1(1460.54,208.33)
LED_B: R4.5 U1.G9 | length 105.8
  Top Layer w5: U1.G9@425.2,551.18 v1@409.91,535.89 ; v1@409.91,535.89 v1@410.91,536.89 ; v1@409.91,535.89 v1@410.91,536.89 ; v1@410.91,536.89 v1(410.91,537.65) v1@410.91,536.89
  Bottom Layer w5: R4.5@345.22,515.07 345.22,523.2 359.68,537.65 v1(410.91,537.65)
LED_G: R4.8 U1.D7 | length 191.8
  Top Layer w5: v1(472.54,440.33) 472.54,440.69 488.19,456.34 U1.D7@488.19,456.69
  Bottom Layer w5: R4.8@346.68,463.25 410.3,463.25 434.63,487.58 448.18,487.58 457.76,478 457.76,466.58 465.7,458.64 465.7,450.62 472.54,443.77 v1(472.54,440.33)
LED_R: R4.6 U1.E8 | length 126.9
  Top Layer w5: v1(440.41,503.94) 440.56,503.94 456.31,488.19 U1.E8@456.69,488.19
  Bottom Layer w5: R4.6@346.68,494.75 352.16,494.75 360.06,486.85 419.65,486.85 436.74,503.94 v1(440.41,503.94)